# KiCad board pcb.kicad_pcb (continued)
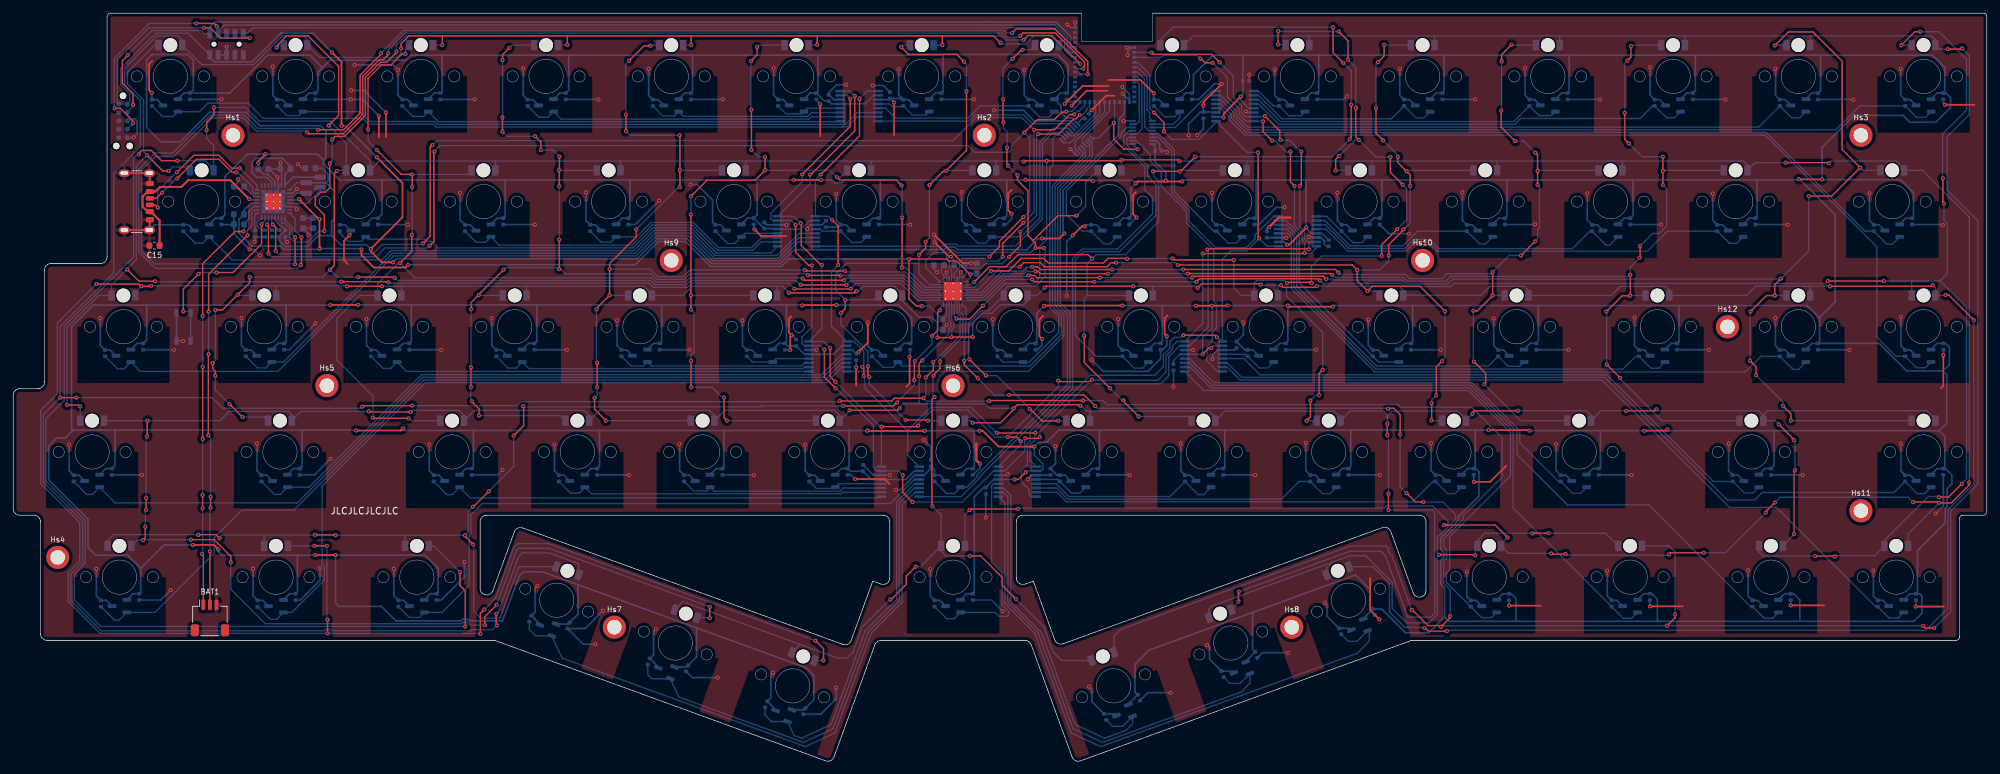
[diagram p0: board, top side]
## Routing (per net, layer and track width the routed paths; a pad name or vN(x,y) marks a point on that pad's centre or on a via; arc(x,y) is an arc through that point) (continued)
/CS2: length 157.1
  Top w0.2: v1(210.92,80.65) 210.92,80.56 208.71,78.35 v1(208.71,76.7) ; v1(215.92,55.47) 215.92,59.8 v1(216.78,60.66) ; v1(176.69,75.26) 203.16,75.26 v1(203.93,74.49) 203.93,72.87 v1(205.5,71.3) 206.23,72.03 213.45,72.03 v1(217.24,68.24) ; v1(210.09,91.67) 210.09,90.81 v1(211.41,89.49) 211.95,88.95 v1(211.95,87.28) ; v1(215.19,51.66) 215.22,51.69 v1(215.22,54.32) ; v1(152.7,74.98) 153.33,75.61 155.85,75.61 156.47,74.99 165.96,74.99 166.58,75.61 v1(167.36,75.61) ; v1(207.05,106.03) 208,106.98 v1(208,108.67) ; v1(206.77,99.12) 206.77,95.27 v1(207.87,94.17)
  Bottom w0.2: v1(211.41,89.49) 211.55,89.63 D26.1 ; v1(208,108.67) 208.04,108.63 D11.1 ; v1(215.92,55.47) 215.22,54.77 v1(215.22,54.32) ; D40.1 206.63,71.3 v1(205.5,71.3) ; v1(215.19,51.66) 215.22,51.63 D55.1 ; v1(207.05,106.03) 206.77,105.75 v1(206.77,99.12) ; v1(217.24,68.24) 217.24,61.12 v1(216.78,60.66) ; v1(208.71,76.7) 208.71,75.88 207.32,74.49 v1(203.93,74.49) ; LEDDR1.4 146.35,71.48 149.85,74.98 v1(152.7,74.98) ; v1(176.69,75.26) 176.34,75.61 169.38,75.61 169.32,75.55 168.78,75.55 168.72,75.61 v1(167.36,75.61) ; v1(210.09,91.67) 210.09,91.95 v1(207.87,94.17) ; v1(211.95,87.28) 211.95,81.59 211.01,80.65 v1(210.92,80.65)
/CS3: length 174.2
  Top w0.2: v1(221.63,60.59) 223.41,58.81 223.41,57.36 v1(223.21,57.16) ; v1(231.29,87.45) v1(231.29,89.54) 231.29,91.97 v1(230.95,92.31) ; v1(201.08,74.1) 200.6,74.58 v1(177.53,74.58) ; v1(227.89,94.06) 225.77,96.18 v1(225.77,98.7) ; v1(230.92,78.85) v1(228.78,76.7) ; v1(166.73,74.57) 155.83,74.57 155.44,74.96 v1(154.59,74.96) ; v1(227.35,108.71) 225.84,107.2 v1(225.84,106.17) ; v1(221.54,68.31) 222.16,68.31 v1(224.47,70.62) 224.47,74.19 v1(224.46,74.2)
  Bottom w0.2: v1(221.63,60.59) 221.54,60.68 v1(221.54,68.31) ; v1(154.59,74.96) 154.52,74.89 153.75,74.89 153.19,74.33 150.1,74.33 146.85,71.08 LEDDR1.5 ; D41.1 224.48,70.63 v1(224.47,70.62) ; v1(225.77,98.7) 225.84,98.77 v1(225.84,106.17) ; D12.1 227.43,108.63 v1(227.35,108.71) ; D27.1 231.38,89.63 v1(231.29,89.54) ; v1(230.92,78.85) 231.29,79.22 231.29,80.62 231.58,80.91 231.58,87.16 v1(231.29,87.45) ; v1(223.21,57.16) 223.21,57.14 228.72,51.63 D56.1 ; v1(228.78,76.7) 226.97,76.7 v1(224.46,74.2) 224.18,73.92 217.52,73.92 216.79,73.19 211.9,73.19 211.26,73.83 201.35,73.83 v1(201.08,74.1) ; v1(227.89,94.06) 229.2,94.06 v1(230.95,92.31) ; v1(177.53,74.58) 177.52,74.57 v1(166.73,74.57)
/CS4: length 201.7
  Top w0.2: v1(241.78,60.16) 243.82,58.12 v1(243.82,58.11) ; v1(246.78,76.35) 246.84,76.41 v1(246.84,78.15) ; v1(155.11,74.29) 155.47,74.29 155.82,73.94 v1(166.08,73.94) ; v1(250.3,87.39) v1(250.3,89.54) v1(250.3,91.7) ; v1(245.46,108.48) 245.46,106.83 v1(244.92,106.29) ; v1(200.14,73.75) 199.93,73.96 v1(178.2,73.96) ; v1(244.52,98.35) 244.52,94.32 v1(245.14,93.7) ; v1(245.36,73.77) 245.36,70.63 v1(245.31,70.58) 244.12,70.58 v1(241.72,68.18)
  Bottom w0.2: v1(200.14,73.75) 200.51,73.38 210.94,73.38 211.53,72.79 217.35,72.79 218.08,73.52 245.11,73.52 v1(245.36,73.77) 245.36,74.93 v1(246.78,76.35) ; v1(250.3,89.54) 250.39,89.63 D28.1 ; v1(244.92,106.29) 244.52,105.89 v1(244.52,98.35) ; v1(245.14,93.7) 247.14,91.7 v1(250.3,91.7) ; D13.1 245.61,108.63 v1(245.46,108.48) ; D42.1 245.36,70.63 v1(245.31,70.58) ; v1(166.08,73.94) 166.1,73.96 v1(178.2,73.96) ; LEDDR1.6 147.01,70.68 150.26,73.93 153.35,73.93 153.71,74.29 v1(155.11,74.29) ; v1(241.78,60.16) 241.78,68.12 v1(241.72,68.18) ; v1(250.3,87.39) 250.87,86.82 250.87,81.16 249.75,80.04 248.73,80.04 v1(246.84,78.15) ; D57.1 250.14,51.63 243.82,57.95 v1(243.82,58.11)
/CS5: length 232.1
  Top w0.2: v1(268.52,53.87) 269.72,52.67 v1(269.72,51.66) ; v1(178.88,73.35) 179.09,73.56 198.77,73.56 v1(199.21,73.12) ; v1(267.27,108.56) 269.34,110.63 273.07,110.63 277.49,106.21 277.49,92.8 v1(280.25,90.04) 275.92,85.71 v1(272.44,85.71) ; v1(164.86,73.33) 155.3,73.33 154.96,73.67 v1(154.03,73.67) ; v1(263.59,68.19) 266.02,70.62 v1(267.28,70.62) 267.28,72.25 v1(268.21,73.18) ; v1(264.45,58.53) 264.45,59.81 v1(263.52,60.74)
  Bottom w0.2: v1(164.86,73.33) 178.86,73.33 v1(178.88,73.35) ; v1(268.52,53.87) 268.52,54.46 v1(264.45,58.53) ; D29.1 280.66,89.63 v1(280.25,90.04) ; v1(267.28,70.62) 267.29,70.63 D43.1 ; v1(272.44,85.71) 272.44,77.41 v1(268.21,73.18) 268.15,73.12 218.44,73.12 217.71,72.39 211.36,72.39 210.77,72.98 200.34,72.98 200.2,73.12 v1(199.21,73.12) ; LEDDR1.7 147.18,70.28 150.43,73.53 153.89,73.53 v1(154.03,73.67) ; v1(263.52,60.74) 263.52,68.12 v1(263.59,68.19) ; v1(269.72,51.66) 269.75,51.63 D58.1 ; D14.1 267.34,108.63 v1(267.27,108.56)
/CS6: length 272.4
  Top w0.2: v1(292.79,88.42) 292.79,84.72 v1(292.95,84.56) ; v1(289.34,110.66) 288.52,110.66 v1(286.45,108.59) ; v1(275.32,72.83) 275.33,72.82 v1(283.83,72.82) ; v1(179.52,72.7) 179.98,73.16 198.02,73.16 v1(198.26,72.92) ; v1(276.42,31.03) 276.38,31.07 v1(273.39,31.07) ; v1(292.18,40.02) 292.21,40.05 293.66,40.05 v1(295.66,42.05) ; v1(164.04,72.71) 154.96,72.71 v1(154.6,73.07)
  Bottom w0.2: D44.1 288.05,72.83 288.04,72.84 ; v1(289.34,110.66) 292.2,110.66 296.38,106.48 296.38,98.79 292.73,95.14 292.73,88.48 v1(292.79,88.42) ; LEDDR1.8 147.36,69.88 150.55,73.07 v1(154.6,73.07) ; v1(164.04,72.71) 164.05,72.7 v1(179.52,72.7) ; 292.35,72.84 293.44,73.93 293.44,81.57 292.95,82.06 v1(292.95,84.56) ; 292.35,72.84 296.38,68.81 296.38,42.77 v1(295.66,42.05) ; 292.35,72.84 288.04,72.84 ; v1(283.83,72.82) 283.85,72.84 288.04,72.84 ; v1(198.26,72.92) 198.73,72.45 210.71,72.45 211.17,71.99 218.15,71.99 218.61,72.45 274.94,72.45 v1(275.32,72.83) ; v1(286.45,108.59) 286.49,108.63 D15.1 ; D71.1 264.9,31.66 265.48,31.08 273.38,31.08 v1(273.39,31.07) ; v1(292.18,40.02) 292.07,40.12 290.59,40.12 283.9,33.43 D72.1 282.42,31.15 276.54,31.15 v1(276.42,31.03)
/CS7: length 193.9
  Top w0.2: v1(230.53,34.5) 230.58,34.55 v1(232.98,34.55) ; v1(213.98,39.28) 212.77,39.28 v1(211.41,40.64) ; v1(208.6,53.42) 208.69,53.51 209.48,53.51 210.44,52.55 v1(210.44,49.54) ; v1(144.3,60.72) 144.3,60.12 v1(146.37,58.05) ; v1(151.11,55.53) 162.48,55.53 v1(164.15,53.86) ; v1(216.38,31.27) 216.4,31.29 221.78,31.29 v1(221.87,31.2)
  Bottom w0.2: v1(208.6,53.42) 208.51,53.51 164.5,53.51 v1(164.15,53.86) ; 200.05,30.11 202.82,31.12 205.21,31.12 209.22,27.12 209.22,23.15 211.42,20.95 214.82,20.95 216.07,22.2 216.07,30.96 v1(216.38,31.27) 216.08,31.57 216.08,33.92 218.85,36.69 218.85,37.37 216.94,39.28 v1(213.98,39.28) ; 200.05,30.11 199.28,29.35 D68.1 ; 200.05,30.11 181.91,23.51 181.43,23.04 D67.1 ; v1(144.3,60.72) 144.3,64.03 144.48,64.21 144.48,66.42 144.57,66.51 144.57,68.72 LEDDR1.9 ; v1(230.53,34.5) 230.48,34.55 223.27,34.55 222.15,33.43 D69.1 221.87,32.35 v1(221.87,31.2) ; v1(210.44,49.54) 210.44,41.61 v1(211.41,40.64) ; v1(232.98,34.55) 241.6,34.55 243.53,32.63 ; v1(151.11,55.53) 151.09,55.51 148.91,55.51 v1(146.37,58.05)
/CS8: length 125
  Top w0.2: v1(139.62,58.43) 139.62,58.55 140.61,59.54 140.61,60.59 v1(140.65,60.63) ; v1(139.81,55.24) 139.4,54.83 139.4,38.71 v1(139.46,38.65) ; v1(136.94,29.48) 135.5,28.04 135.5,26.78 133.19,24.47 v1(133.08,24.47) ; v1(145.15,31.1) 146.79,31.1 150.06,27.83 150.06,26.63 v1(152.14,24.55)
  Bottom w0.2: v1(145.15,31.1) 141.53,31.1 140.8,31.83 D65.1 ; v1(139.46,38.65) 140.8,37.31 D65.1 ; LEDDR1.10 143.6,68.12 144.17,67.55 144.17,66.68 144.06,66.56 144.06,64.35 140.65,60.94 v1(140.65,60.63) ; D64.1 118.18,16.46 119.39,17.67 ; v1(152.14,24.55) 156.5,20.19 156.5,20.04 157.79,16.5 159.06,15.23 D66.1 ; 119.39,17.67 125.1,15.59 126.5,15.59 127.45,16.54 128.81,20.29 132.99,24.47 v1(133.08,24.47) ; 119.39,17.67 101.58,24.15 100.39,22.96 D63.1 ; v1(139.81,55.24) 139.55,55.5 139.55,58.35 v1(139.62,58.43) ; D65.1 137.65,29.48 v1(136.94,29.48)
/CS9: length 188.1
  Top w0.2: v1(68.53,34.22) 68.53,34.1 v1(69.8,32.83) ; v1(72.17,40.92) 69.81,38.56 v1(69.73,38.56) ; v1(48.92,34.25) 48.88,34.29 v1(45.79,34.29) ; v1(31.33,33.77) 30.76,34.34 28.14,34.34 v1(28.09,34.29) ; v1(125.91,53.88) 133.54,53.88 134.05,54.39 v1(134.13,54.39) ; v1(140.58,68.37) 140.26,68.04 140.26,65.33 v1(139.41,64.48) ; v1(77.36,53.85) 77.45,53.76 77.45,50.87 v1(75.93,49.35) ; v1(136.8,60.66) 136.73,60.59 v1(136.73,57.77)
  Bottom w0.2: v1(136.8,60.66) 139.41,63.27 v1(139.41,64.48) ; v1(31.33,33.77) 31.33,33.97 31.62,34.26 38.1,34.26 ; LEDDR1.16 140.58,68.68 v1(140.58,68.37) ; v1(134.13,54.39) 134.13,54.47 136.73,57.07 v1(136.73,57.77) ; v1(69.73,38.56) 69.03,37.86 69.03,34.72 v1(68.53,34.22) 68.5,34.25 59.59,34.25 ; v1(28.09,34.29) 28.04,34.34 24.32,34.34 24.31,34.35 23.6,34.35 23.59,34.34 15.23,34.34 14.32,33.43 D59.1 ; v1(72.17,40.92) 75.93,44.68 v1(75.93,49.35) ; D61.1 59.45,34.11 59.59,34.25 ; 38.1,34.26 38.08,34.23 D60.1 ; 38.1,34.26 45.76,34.26 v1(45.79,34.29) ; 59.59,34.25 v1(48.92,34.25) ; v1(77.36,53.85) 77.49,53.72 88.49,53.72 88.5,53.73 113.36,53.73 113.49,53.86 125.23,53.86 125.25,53.88 v1(125.91,53.88) ; v1(69.8,32.83) 69.87,32.76 69.87,22.72 70.92,21.67 73.87,21.67 76.63,29.27 76.82,29.46 D62.1
/CS10: length 203
  Top w0.2: v1(127.09,71.67) 127.04,71.62 118.54,71.62 v1(118.52,71.64) ; v1(8.16,54.01) 9.94,54.01 v1(10.16,53.79) ; v1(23.59,89.53) 22.71,89.53 v1(20.31,91.93) ; v1(21.53,72.79) 19.09,72.79 v1(17.29,74.59) ; v1(49.79,72.73) 56.85,72.73 v1(56.95,72.63)
  Bottom w0.2: v1(56.95,72.63) 57.07,72.51 96.51,72.51 97.14,71.88 102.31,71.88 102.94,72.51 117.65,72.51 v1(118.52,71.64) ; v1(10.16,53.79) 10.18,53.77 D45.1 ; LEDDR1.17 137.26,69.88 134.67,72.47 127.89,72.47 v1(127.09,71.67) ; v1(49.79,72.73) 21.59,72.73 v1(21.53,72.79) ; D1.1 21.47,108.63 17.32,104.48 17.32,102.75 19.77,100.3 19.77,92.47 v1(20.31,91.93) 18.67,90.28 18.67,76.07 17.29,74.69 v1(17.29,74.59) 14.92,72.22 D30.1 12.98,70.63 8.16,65.81 v1(8.16,54.01) ; D16.1 26.3,90.13 24.19,90.13 v1(23.59,89.53)
/CS11: length 188.4
  Top w0.2: v1(34.81,52.18) 34.78,52.18 v1(32.83,54.13) ; v1(57.89,73.33) 57.8,73.42 v1(52.33,73.42) ; v1(49.12,89.53) 48.72,89.13 48.72,85.49 48.73,85.48 48.73,84.28 48.72,84.27 48.72,75.18 v1(48.08,74.54) ; v1(47.85,96.44) 49.38,97.97 49.38,105.4 44.75,110.03 41.48,110.03 39.97,108.51 v1(39.97,108.26) ; v1(30.68,68.44) 31.75,68.44 v1(34.06,70.75) 35.87,72.56 v1(35.87,73.43) ; v1(119.46,72.25) 119.48,72.23 v1(126.42,72.23) ; v1(30.67,58.45) 30.67,59.13 30.26,59.54 v1(30.26,60.37)
  Bottom w0.2: v1(52.33,73.42) 49.2,73.42 v1(48.08,74.54) 46.97,73.43 v1(35.87,73.43) ; v1(32.83,54.13) 30.67,56.29 v1(30.67,58.45) ; v1(126.42,72.23) 127.06,72.87 134.94,72.87 137.53,70.28 LEDDR1.18 ; v1(47.85,96.44) 50.55,93.74 D17.1 49.22,89.63 v1(49.12,89.53) ; D31.1 34.18,70.63 v1(34.06,70.75) ; v1(57.89,73.33) 58.31,72.91 96.68,72.91 97.31,72.28 102.15,72.28 102.78,72.91 118.8,72.91 v1(119.46,72.25) ; v1(34.81,52.18) 38.12,52.18 D46.1 ; v1(30.68,68.44) 30.68,60.79 v1(30.26,60.37) ; v1(39.97,108.26) 40.33,108.63 D2.1
/CS12: length 177.2
  Top w0.2: v1(126.08,72.96) 126.06,72.94 120.05,72.94 v1(119.78,73.21) ; v1(54.55,52.08) 54.64,51.99 v1(59.99,51.99) ; v1(58.69,75.56) 60.47,77.34 v1(60.47,79.82) ; v1(53.84,95.85) 53.84,103.57 55.89,105.62 57.32,105.62 59,107.3 v1(59.51,107.3) ; v1(60.55,87.1) v1(60.55,89.01) 58.89,89.01 v1(55.22,92.68)
  Bottom w0.2: v1(60.55,87.1) 60.55,79.9 v1(60.47,79.82) ; LEDDR1.19 137.7,70.68 135.11,73.27 126.39,73.27 v1(126.08,72.96) ; D18.1 68.93,89.01 v1(60.55,89.01) ; v1(119.78,73.21) 119.67,73.32 102.62,73.32 101.98,72.68 97.47,72.68 96.83,73.32 60.93,73.32 v1(58.69,75.56) 58.45,75.56 55.3,72.41 D32.1 52.6,70.63 49.1,67.13 49.1,60.84 54.59,55.35 54.59,52.12 v1(54.55,52.08) ; D3.1 59.51,108.09 v1(59.51,107.3) ; v1(53.84,95.85) 53.84,94.06 v1(55.22,92.68) ; D47.1 60.35,51.63 v1(59.99,51.99)
/CS13: length 161.4
  Top w0.2: v1(69.46,59.72) v1(69.46,56.72) ; v1(74.24,95.49) v1(74.24,97.66) ; v1(82.88,91.71) 82.88,89.71 82.82,89.65 v1(82.79,89.65) 82.85,89.59 v1(82.85,87.21) ; v1(120.57,73.7) 120.58,73.69 125.47,73.69 v1(125.51,73.65) ; v1(82.85,79.11) v1(82.85,74.61) ; v1(74.25,106.35) 74.25,107.18 v1(75.28,108.21) ; v1(70.68,52.4) 70.68,53.42 69.6,54.49 v1(69.6,54.56) ; v1(69.49,68.55) 69.49,69.56 v1(70.63,70.7) 70.63,70.76 v1(74.42,74.55) ; v1(80.07,92.7) 80.07,93.91 v1(79.18,94.8)
  Bottom w0.2: v1(69.6,54.56) 69.43,54.73 69.43,56.69 v1(69.46,56.72) ; v1(80.07,92.7) 81.89,92.7 v1(82.88,91.71) ; LEDDR1.20 137.88,71.08 135.27,73.69 125.55,73.69 v1(125.51,73.65) ; v1(70.63,70.7) 70.7,70.63 D33.1 ; v1(82.85,79.11) v1(82.85,87.21) ; v1(75.28,108.21) 75.7,108.63 D4.1 ; v1(79.18,94.8) 74.93,94.8 v1(74.24,95.49) ; v1(74.24,97.66) 74.25,97.67 v1(74.25,106.35) ; D19.1 82.81,89.63 v1(82.79,89.65) ; v1(74.42,74.55) 74.74,74.86 82.6,74.86 v1(82.85,74.61) 83.11,74.61 83.83,73.9 96.82,73.9 97.64,73.08 101.82,73.08 102.63,73.9 120.37,73.9 v1(120.57,73.7) ; D48.1 83.03,52.4 v1(70.68,52.4) ; v1(69.49,68.55) 69.46,68.52 v1(69.46,59.72)
/CS14: length 148.6
  Top w0.2: v1(120.12,74.52) 120.29,74.35 v1(126.21,74.35) ; v1(94.54,80.67) 94.54,79.52 90.49,75.47 v1(90.49,70.66) 88.57,68.74 ; v1(88.21,55.1) 88.21,53.37 v1(89.95,51.63) ; v1(88.6,56.71) 88.6,60.43 v1(88.61,60.44) ; v1(92.98,95.57) 92.98,98.06 v1(92.96,98.08) ; v1(96.7,108.53) 95.73,108.53 v1(93.44,106.24) ; v1(101.13,94.95) 101.16,94.92 v1(101.16,89.66) v1(101.16,87.08)
  Bottom w0.2: v1(101.16,89.66) 101.19,89.63 D20.1 ; v1(92.96,98.08) 92.96,105.76 v1(93.44,106.24) ; v1(126.21,74.35) 126.35,74.21 135.34,74.21 138.07,71.48 LEDDR1.21 ; D34.1 90.52,70.63 v1(90.49,70.66) ; D5.1 96.8,108.63 v1(96.7,108.53) ; v1(120.12,74.52) 102.69,74.52 101.65,73.48 97.8,73.48 96.64,74.64 v1(90.49,74.64) ; v1(88.6,56.71) 88.6,55.49 v1(88.21,55.1) ; v1(101.16,87.08) 100.95,87.08 v1(94.54,80.67) ; v1(88.49,68.53) 88.49,60.56 v1(88.61,60.44) ; v1(92.98,95.57) 93.6,94.95 v1(101.13,94.95) ; D49.1 v1(89.95,51.63)
/CS15: length 142.8
  Top w0.2: v1(114.08,91.65) v1(114.08,89.63) 112.57,88.12 105.25,88.12 v1(102.82,85.69) ; v1(112.01,98.83) 112.01,92.75 v1(112,92.74) ; v1(124.99,88.59) 125.42,88.16 133.96,88.16 v1(134.79,87.33) ; v1(102.85,60.73) 102.85,56.71 v1(102.86,56.7) ; v1(102.82,82.93) v1(102.82,70.65) 102.84,70.63 v1(102.84,68.51) ; v1(112.86,108.35) 112.86,107.15 v1(111.93,106.22) ; v1(108.29,51.65) 107.87,52.07 v1(107.87,55.15) ; v1(134.88,82.46) 134.88,74.9 v1(134.83,74.86)
  Bottom w0.2: D35.1 102.84,70.63 v1(102.82,70.65) ; v1(102.85,60.73) 102.84,60.74 102.84,61.6 103.29,62.05 103.29,68.06 v1(102.84,68.51) ; LEDDR1.22 138.35,71.88 135.37,74.86 v1(134.83,74.86) ; v1(107.87,55.15) 107.75,55.03 107.7,55.03 106.03,56.7 v1(102.86,56.7) ; D50.1 108.31,51.63 v1(108.29,51.65) ; v1(134.88,82.46) 134.88,87.24 v1(134.79,87.33) ; v1(112,92.74) 113.09,91.65 v1(114.08,91.65) ; v1(102.82,85.69) v1(102.82,82.93) ; v1(114.08,89.63) 123.95,89.63 v1(124.99,88.59) 125.51,88.59 D21.1 ; D6.1 113.14,108.63 v1(112.86,108.35) ; v1(111.93,106.22) 111.93,98.91 v1(112.01,98.83)
/CS16: length 106.5
  Top w0.2: v1(137.42,76.78) 138.43,77.79 v1(138.43,78.79) ; v1(144.64,101.63) 144.64,92.66 v1(141.54,89.56) 141.18,89.56 v1(139.01,87.39) ; v1(144.28,106.1) 143.15,107.23 135.85,107.23 v1(134.74,108.34) ; v1(126.25,69.98) 126.25,68.64 v1(125.58,67.97) ; v1(129.69,59.88) 129.69,58.48 v1(129.89,58.28) ; v1(138.8,51.63) 138.7,51.73 v1(135.39,51.73)
  Bottom w0.2: 137.42,75.5 v1(137.42,76.78) ; 137.42,75.5 137.41,75.51 126.45,75.51 124.79,73.85 124.79,71.44 v1(126.25,69.98) 130.65,69.98 D36.1 ; 137.42,75.5 137.42,73.91 139.05,72.28 LEDDR1.23 ; v1(141.54,89.56) 141.61,89.63 D22.1 ; v1(129.69,59.88) 129.69,62.14 125.58,66.25 v1(125.58,67.97) ; v1(138.43,78.79) 139.01,79.37 v1(139.01,87.39) ; v1(129.89,58.28) 129.89,57.23 v1(135.39,51.73) ; D7.1 135.03,108.63 v1(134.74,108.34) ; v1(144.64,101.63) 144.64,105.74 v1(144.28,106.1) ; D51.1 v1(138.8,51.63)
/CS17: length 118.9
  Top w0.2: v1(161.34,82.74) 158.52,82.74 154.73,78.95 ; v1(150.81,93.07) 150.76,93.02 150.76,90.51 v1(150.95,90.32) ; v1(147.59,58.47) 147.55,58.47 v1(145.07,60.95) ; v1(150.25,96.89) 150.19,96.95 150.19,100.39 v1(150.21,100.41) ; v1(153.16,107.93) 153,107.93 v1(151.62,106.55) ; v1(156.41,77.84) 155.12,77.84 v1(155.11,77.85) 155.11,78.57 154.73,78.95 ; 154.73,78.95 153.97,79.71 153.97,86.51 152.38,88.1 v1(152.38,88.89) ; v1(158.55,51.6) 156.11,51.6 154.32,53.39 v1(154.23,53.39)
  Bottom w0.2: v1(150.81,93.07) 150.81,95.48 150.25,96.04 v1(150.25,96.89) ; D23.1 162.73,87.81 162.73,84.13 v1(161.34,82.74) ; v1(150.21,100.41) 150.15,100.47 150.15,105.08 v1(151.62,106.55) ; v1(145.07,60.95) 144.97,61.05 144.97,66.44 146.86,68.33 148,68.33 D37.1 150.3,71.43 150.92,72.05 155.08,72.05 156.55,73.52 156.55,77.7 v1(156.41,77.84) ; v1(155.11,77.85) 154.41,77.15 143.12,77.15 142.7,77.57 141.84,77.57 141.42,77.15 139.67,77.15 138.5,75.98 138.5,74.79 LEDDR1.24 ; v1(153.16,107.93) 154.35,107.93 D8.1 ; v1(154.23,53.39) 154.23,53.48 149.24,58.47 v1(147.59,58.47) ; v1(158.55,51.6) 159.77,51.6 D52.1 ; v1(150.95,90.32) v1(152.38,88.89)
/GPIO_X: length 153.1
  Top w0.2: v1(58.16,107.63) 58.16,107.53 56.65,106.02 55.72,106.02 53.44,103.74 53.44,97.97 50.24,94.77 48.81,94.77 48.41,94.37 v1(48.41,94.31) ; v1(161.9,105.77) 157.58,110.09 153.99,110.09 v1(153.31,109.41) ; v1(47.21,80.4) 47.21,82.87 45.82,84.26 45.82,85.48 46.67,86.33 47.4,86.33 48.04,86.97 48.04,90.57
  Bottom w0.2: M1.8 161.64,106.03 v1(161.9,105.77) ; PMIC1.10 40.73,81.61 41.14,81.61 41.96,80.79 41.96,79.43 42.64,78.74 44.69,78.74 46.35,80.4 v1(47.21,80.4) ; v1(153.31,109.41) 150.6,109.41 150.6,109.41 149.98,110.03 59.54,110.03 58.16,108.65 v1(58.16,107.63) ; v1(48.04,90.69) 48.41,91.06 v1(48.41,94.31)
/INT: length 211.5
  Top w0.2: v1(46.25,95.79) 50.13,95.79 52.64,98.3 52.64,104.08 55.81,107.25 v1(55.81,107.4) ; v1(43.64,75.28) 43.74,75.38 v1(43.74,79.47) ; v1(151.57,110.47) 152.18,111.08 158.1,111.08 163.04,106.14 v1(163.04,104.21)
  Bottom w0.2: M1.10 161.6,104.53 161.92,104.21 v1(163.04,104.21) ; v1(43.74,79.47) 42.76,80.45 42.76,82.29 PMIC1.8 ; v1(43.64,75.28) 43.1,74.74 21.58,74.74 19.07,77.25 19.07,89.81 21.53,92.26 24.23,92.26 29.97,98.01 35.06,98.01 37.08,95.99 46.05,95.99 v1(46.25,95.79) ; v1(151.57,110.47) 150.67,110.47 150.29,110.85 59.23,110.85 55.81,107.43 v1(55.81,107.4)
/LED_DR_EN: length 40.8
  Top w0.2: v1(152.81,80.3) 152.81,78.2 v1(151.1,76.49) ; v1(155.5,95.14) 158.64,95.14 160.95,97.45 161.27,97.45 v1(161.83,98.01)
  Bottom w0.2: v1(152.81,80.3) 155.28,82.77 155.28,94.92 v1(155.5,95.14) ; LEDDR1.32 144.59,73.86 144.59,75 C29.1 144.84,74.76 146.81,74.76 147.49,75.44 150.05,75.44 v1(151.1,76.49) ; M1.19 163.35,99.39 162.85,98.89 162.85,98.68 162.18,98.01 v1(161.83,98.01)
/LOADSW_CTRL: length 206.4
  Top w0.2: v1(42.8,75.39) 42.78,75.41 v1(42.78,79.47) ; v1(162.36,105.06) 162.55,105.24 162.55,106.04 158.1,110.49 153.25,110.49 v1(152.82,110.06) ; v1(56.92,107.4) 56.92,107.2 56.13,106.42 55.56,106.42 53.04,103.9 53.04,98.14 50.07,95.17 44.83,95.17 v1(44.61,95.39)
  Bottom w0.2: PMIC1.9 41.22,82.09 42.36,80.95 42.36,79.89 v1(42.78,79.47) ; v1(162.36,105.06) 161.33,105.06 M1.9 ; v1(42.8,75.39) 42.77,75.42 21.47,75.42 19.47,77.42 19.47,89.64 21.55,91.72 24.38,91.72 30.27,97.61 34.89,97.61 36.91,95.59 44.41,95.59 v1(44.61,95.39) ; v1(152.82,110.06) 152.57,109.81 150.76,109.81 150.12,110.45 59.4,110.45 56.92,107.97 v1(56.92,107.4)
/MUX_B_1: length 30.8
  Bottom w0.2: MUXA1.14 160.09,96.7 154.67,96.7 153.34,98.03 145.91,98.03 144.99,97.1 MUXB1.8
/MUX_B_2: length 52.4
  Bottom w0.2: MUXA1.11 159.32,95.35 157.76,95.35 156.17,93.77 156.17,82.22 152.09,78.14 143.34,78.14 143.06,78.42 141.48,78.42 141.17,78.1 MUXB2.8
/MUX_B_3: length 66.5
  Bottom w0.2: MUXB3.8 154.02,59.1 159.43,64.51 159.43,67.79 158.08,69.13 158.08,87.12 162.68,91.72 162.68,92.7 MUXA1.5
/MUX_B_4: length 70.1
  Bottom w0.2: MUXB4.8 143.81,40.1 146.61,42.91 146.61,43.1 160.34,56.83 160.34,68.01 158.88,69.47 158.88,86.79 163.74,91.65 163.74,93.76 MUXA1.2
/MUX_B_5: length 11.9
  Bottom w0.2: MUXA2.11 176.31,96.13 181.83,101.65 MUXB5.8
/MUX_B_6: length 33.1
  Bottom w0.2: MUXA2.14 173.75,94.63 175.79,92.59 175.79,86.19 178.42,83.56 178.42,81.88 182.4,77.9 187.07,77.9 188.42,79.24 188.42,79.82 191.25,82.65 MUXB6.8
/MUX_B_7: length 42.6
  Bottom w0.2: MUXA2.2 170.41,94.13 172.53,92.01 172.53,91.03 174.18,89.38 174.18,87.24 178.02,83.39 178.02,81.65 182.15,77.52 182.15,69.77 182.57,69.35 182.57,65.76 181.94,65.13 181.94,63.71 181.14,62.91 181.14,60.69 182.73,59.1 MUXB7.8
/MUX_B_8: length 71
  Bottom w0.2: MUXB8.8 154.48,40.1 154.17,40.41 154.17,41.15 152.96,42.36 152.96,44.08 153.88,45 153.88,48.12 154.28,48.52 154.28,49.98 160.74,56.45 160.74,76.23 162.19,77.68 167.55,77.68 172.88,83 172.88,85.48 171.68,86.68 171.68,90.18 168.52,93.34 168.52,94.86 169.29,95.63 MUXA2.5
/MUXA_SEL: length 15.4
  Top w0.2: v1(166.99,96.84) 166.99,94.38 168.55,92.82 v1(170.63,92.82)
  Bottom w0.2: M1.24 167.1,96.95 v1(166.99,96.84) 164.71,94.56 MUXA1.1 ; v1(170.63,92.82) 169.85,93.6 MUXA2.1
/MUXB_SEL_0: length 203.1
  Top w0.2: v1(129.05,58.42) 129.05,58.42 129.05,59.58 v1(128.85,59.79) ; v1(182.64,64.29) 182.34,64.59 v1(177.54,64.59) ; v1(128.41,100.51) 128.41,94.85 122.54,88.98 v1(122.51,88.98) ; v1(188.88,92.35) 188.88,79.46 v1(189.04,79.3) ; v1(174.58,95.52) 174.58,96.9 v1(173.07,98.41) ; v1(149.23,49.76) 155.08,49.76 v1(155.11,49.79) ; v1(124.24,82.11) 125.16,81.19 v1(125.16,75.24)
  Bottom w0.2: v1(173.07,98.41) 172.44,99.04 172.44,104.19 170.6,106.03 M1.36 ; MUXB1.1 129.56,101.65 v1(128.41,100.51) ; v1(177.54,64.59) 177.22,64.27 176.16,64.27 175.5,63.61 175.5,62.64 174.53,61.66 174.53,59.82 173.21,58.51 163.4,58.51 155.11,50.23 v1(155.11,49.79) 155.01,49.69 155.01,48.69 154.28,47.96 154.28,45.59 MUXB8.1 ; v1(129.05,58.42) 129.16,58.31 129.16,56.66 134.74,51.08 135.73,50.1 ; 135.73,50.1 135.73,50.19 139.17,53.63 145.36,53.63 v1(149.23,49.76) ; 135.73,50.1 135.73,46.39 MUXB4.1 ; v1(188.88,92.35) 187.24,92.35 MUXB5.1 182.49,96.9 179.91,94.32 175.78,94.32 v1(174.58,95.52) ; v1(122.51,88.98) 121.71,88.19 MUXB2.1 123.69,82.65 v1(124.24,82.11) ; v1(125.16,75.24) 124.16,74.24 124.16,65.96 MUXB3.1 127.56,63.65 129.05,62.17 129.05,59.99 v1(128.85,59.79) ; MUXB6.1 190.23,78.1 v1(189.04,79.3) 187.15,77.41 187.15,77.4 184.72,77.4 183.46,76.14 MUXB7.1 182.83,64.29 v1(182.64,64.29)
/MUXB_SEL_1: length 221.7
  Top w0.2: v1(189.64,97.07) 189.64,95.5 v1(191.01,94.13) ; v1(122.71,75.26) 122.55,75.26 119.57,78.24 119.57,81.51 v1(119.49,81.58) ; v1(124.76,57.52) 123.96,58.32 v1(123.96,62.65) ; v1(180.1,106.58) 180.23,106.58 180.87,105.94 v1(182,105.94) ; v1(137.29,50.86) 137.29,50.84 137.18,50.72 v1(131.74,50.72) ; v1(180.47,77) 195.83,77 v1(195.95,77.12) ; v1(158.54,57.71) 158.69,57.56 163.36,57.56 v1(163.66,57.86) ; v1(120.9,88.98) 121.04,88.98 127.69,95.63 v1(127.69,100.93) ; v1(152.86,48.48) 152.86,48.53 152.25,49.14 v1(150.91,49.14) ; v1(193.79,92.47) 193.79,87.88 v1(194.4,87.27)
  Bottom w0.2: M1.37 174.22,106.78 174.52,107.08 179.6,107.08 v1(180.1,106.58) ; v1(119.49,81.58) 118.42,82.65 MUXB2.16 120.9,87.57 v1(120.9,88.98) ; v1(189.64,97.07) 189.6,97.1 MUXB5.16 187.01,97.1 185.98,98.13 185.98,98.99 184.23,100.74 184.23,103.71 v1(182,105.94) ; v1(193.79,92.47) 193.67,92.35 193.26,92.35 191.48,94.13 v1(191.01,94.13) ; MUXB1.16 126.96,101.65 v1(127.69,100.93) ; v1(180.47,77) 180.47,66.39 MUXB7.16 176.59,63.65 175.9,62.97 175.9,62.47 174.92,61.5 174.92,59.02 173.65,57.75 163.77,57.75 v1(163.66,57.86) ; MUXB4.16 v1(131.74,50.72) 131.74,50.66 131.68,50.6 131.68,50.6 v1(124.76,57.52) ; v1(194.4,87.27) 194.4,81.27 195.53,80.14 195.53,79.07 195.95,78.66 v1(195.95,77.12) 196.08,76.99 196.88,76.99 197.71,77.83 MUXB6.16 ; v1(152.86,48.48) 152.86,48.03 MUXB8.16 ; v1(123.96,62.65) 122.95,63.65 MUXB3.16 122.71,65.63 v1(122.71,75.26) ; v1(158.54,57.71) 158.61,57.64 158.61,56.84 v1(150.91,49.14) 148.95,49.14 144.86,53.23 139.38,53.23 137.29,51.14 v1(137.29,50.86)
/MUXB_SEL_2: length 221.8
  Top w0.2: v1(195.44,92.47) 195.44,87.5 v1(195.21,87.27) ; v1(127,100.49) 127,96.3 v1(119.72,89.02) ; v1(196.6,77.64) 196.51,77.72 181.29,77.72 v1(181.18,77.61) ; v1(134.96,43.36) 134.96,40.77 v1(136.45,39.28) ; v1(189.93,97.86) 192.17,95.62 192.17,94.36 v1(192.26,94.27) ; v1(118.71,81.35) 118.71,77.19 120.71,75.19 v1(121.18,75.19) ; v1(183.06,106) 181.83,107.23 172.98,107.23 v1(172.72,107.49) ; v1(123.08,62.42) 123.08,58.24 v1(124.79,56.53) ; v1(155.76,49.16) 155.54,48.94 v1(153.57,48.94)
  Bottom w0.2: v1(118.71,81.35) 118.05,82 MUXB2.15 115.25,82 114.95,82.31 114.95,83.11 119.72,87.88 v1(119.72,89.02) ; v1(153.57,48.94) 153.48,48.85 153.48,47.04 150.44,44 MUXB8.15 148.75,44 144.03,39.28 v1(136.45,39.28) ; M1.38 172.68,107.53 v1(172.72,107.49) ; v1(196.6,77.64) 196.6,78.38 196.98,78.75 ; v1(124.79,56.53) 124.88,56.53 130.51,50.9 130.51,44.57 131.08,44 MUXB4.15 134.31,44 v1(134.96,43.36) ; MUXB1.15 126.48,101 v1(127,100.49) ; MUXB6.15 196.98,78.75 ; 196.98,78.75 196.42,78.75 195.93,79.24 195.93,80.31 195.21,81.03 v1(195.21,87.27) ; v1(192.26,94.27) 192.35,94.18 193.68,94.18 195.32,92.54 195.32,92.35 v1(195.44,92.47) ; v1(121.18,75.19) 121.18,65.83 119.7,64.35 119.7,63.31 120,63 MUXB3.15 122.49,63 v1(123.08,62.42) ; v1(183.06,106) 185.13,103.93 185.13,100.72 186.38,99.47 186.38,98.3 186.93,97.75 MUXB5.15 189.82,97.75 v1(189.93,97.86) ; v1(181.18,77.61) 181.3,77.49 181.3,65.83 178.47,63 MUXB7.15 177,63 175.33,61.33 175.33,58.46 174.08,57.21 163.02,57.21 155.76,49.95 v1(155.76,49.16)
